# Altium PCB PCB.PcbDoc (part 1 of 3)
Units mm, origin at the board's own origin, x right, y up, seen from the top; angles counter-clockwise.
Board outline 157.4 x 131.87 mm, 4 copper layers (Top Layer, Power, GND, Bottom Layer), stack 0.603 mm thick; 193 components, 161 nets, 761 pads, 797 vias.
Unrouted connection lines stored in the file: 9.
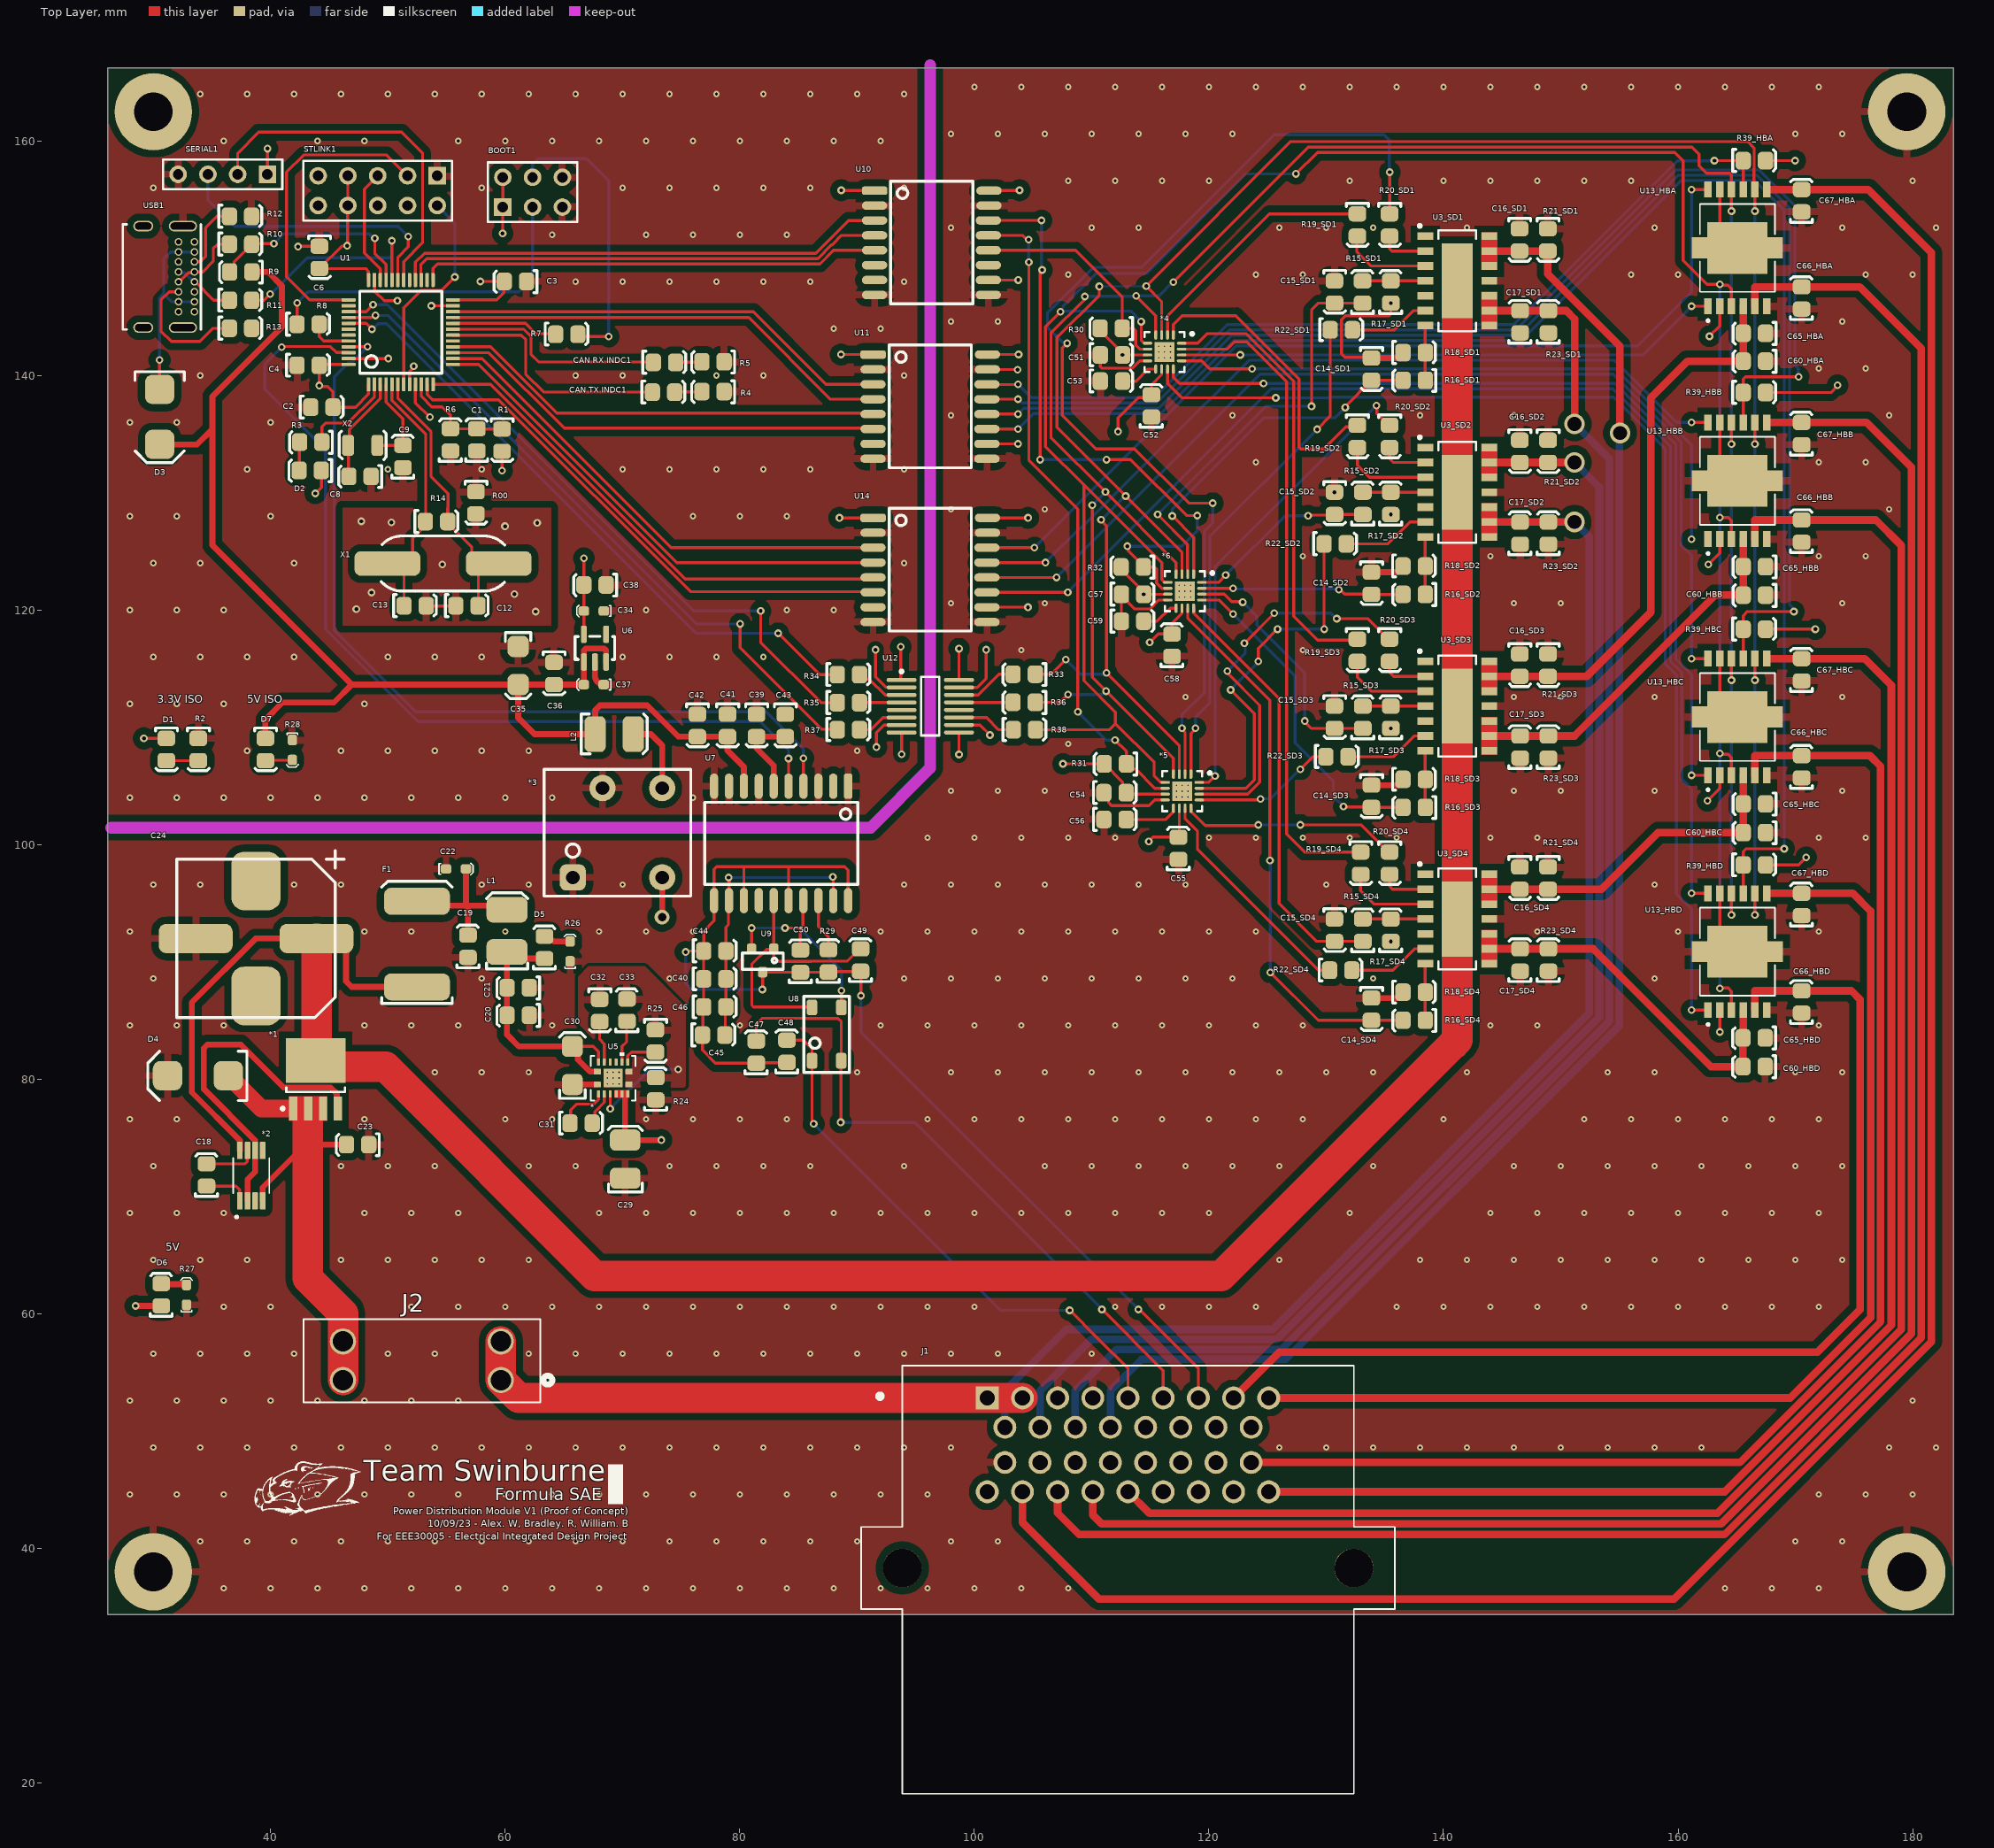
[diagram p0: Top Layer view]
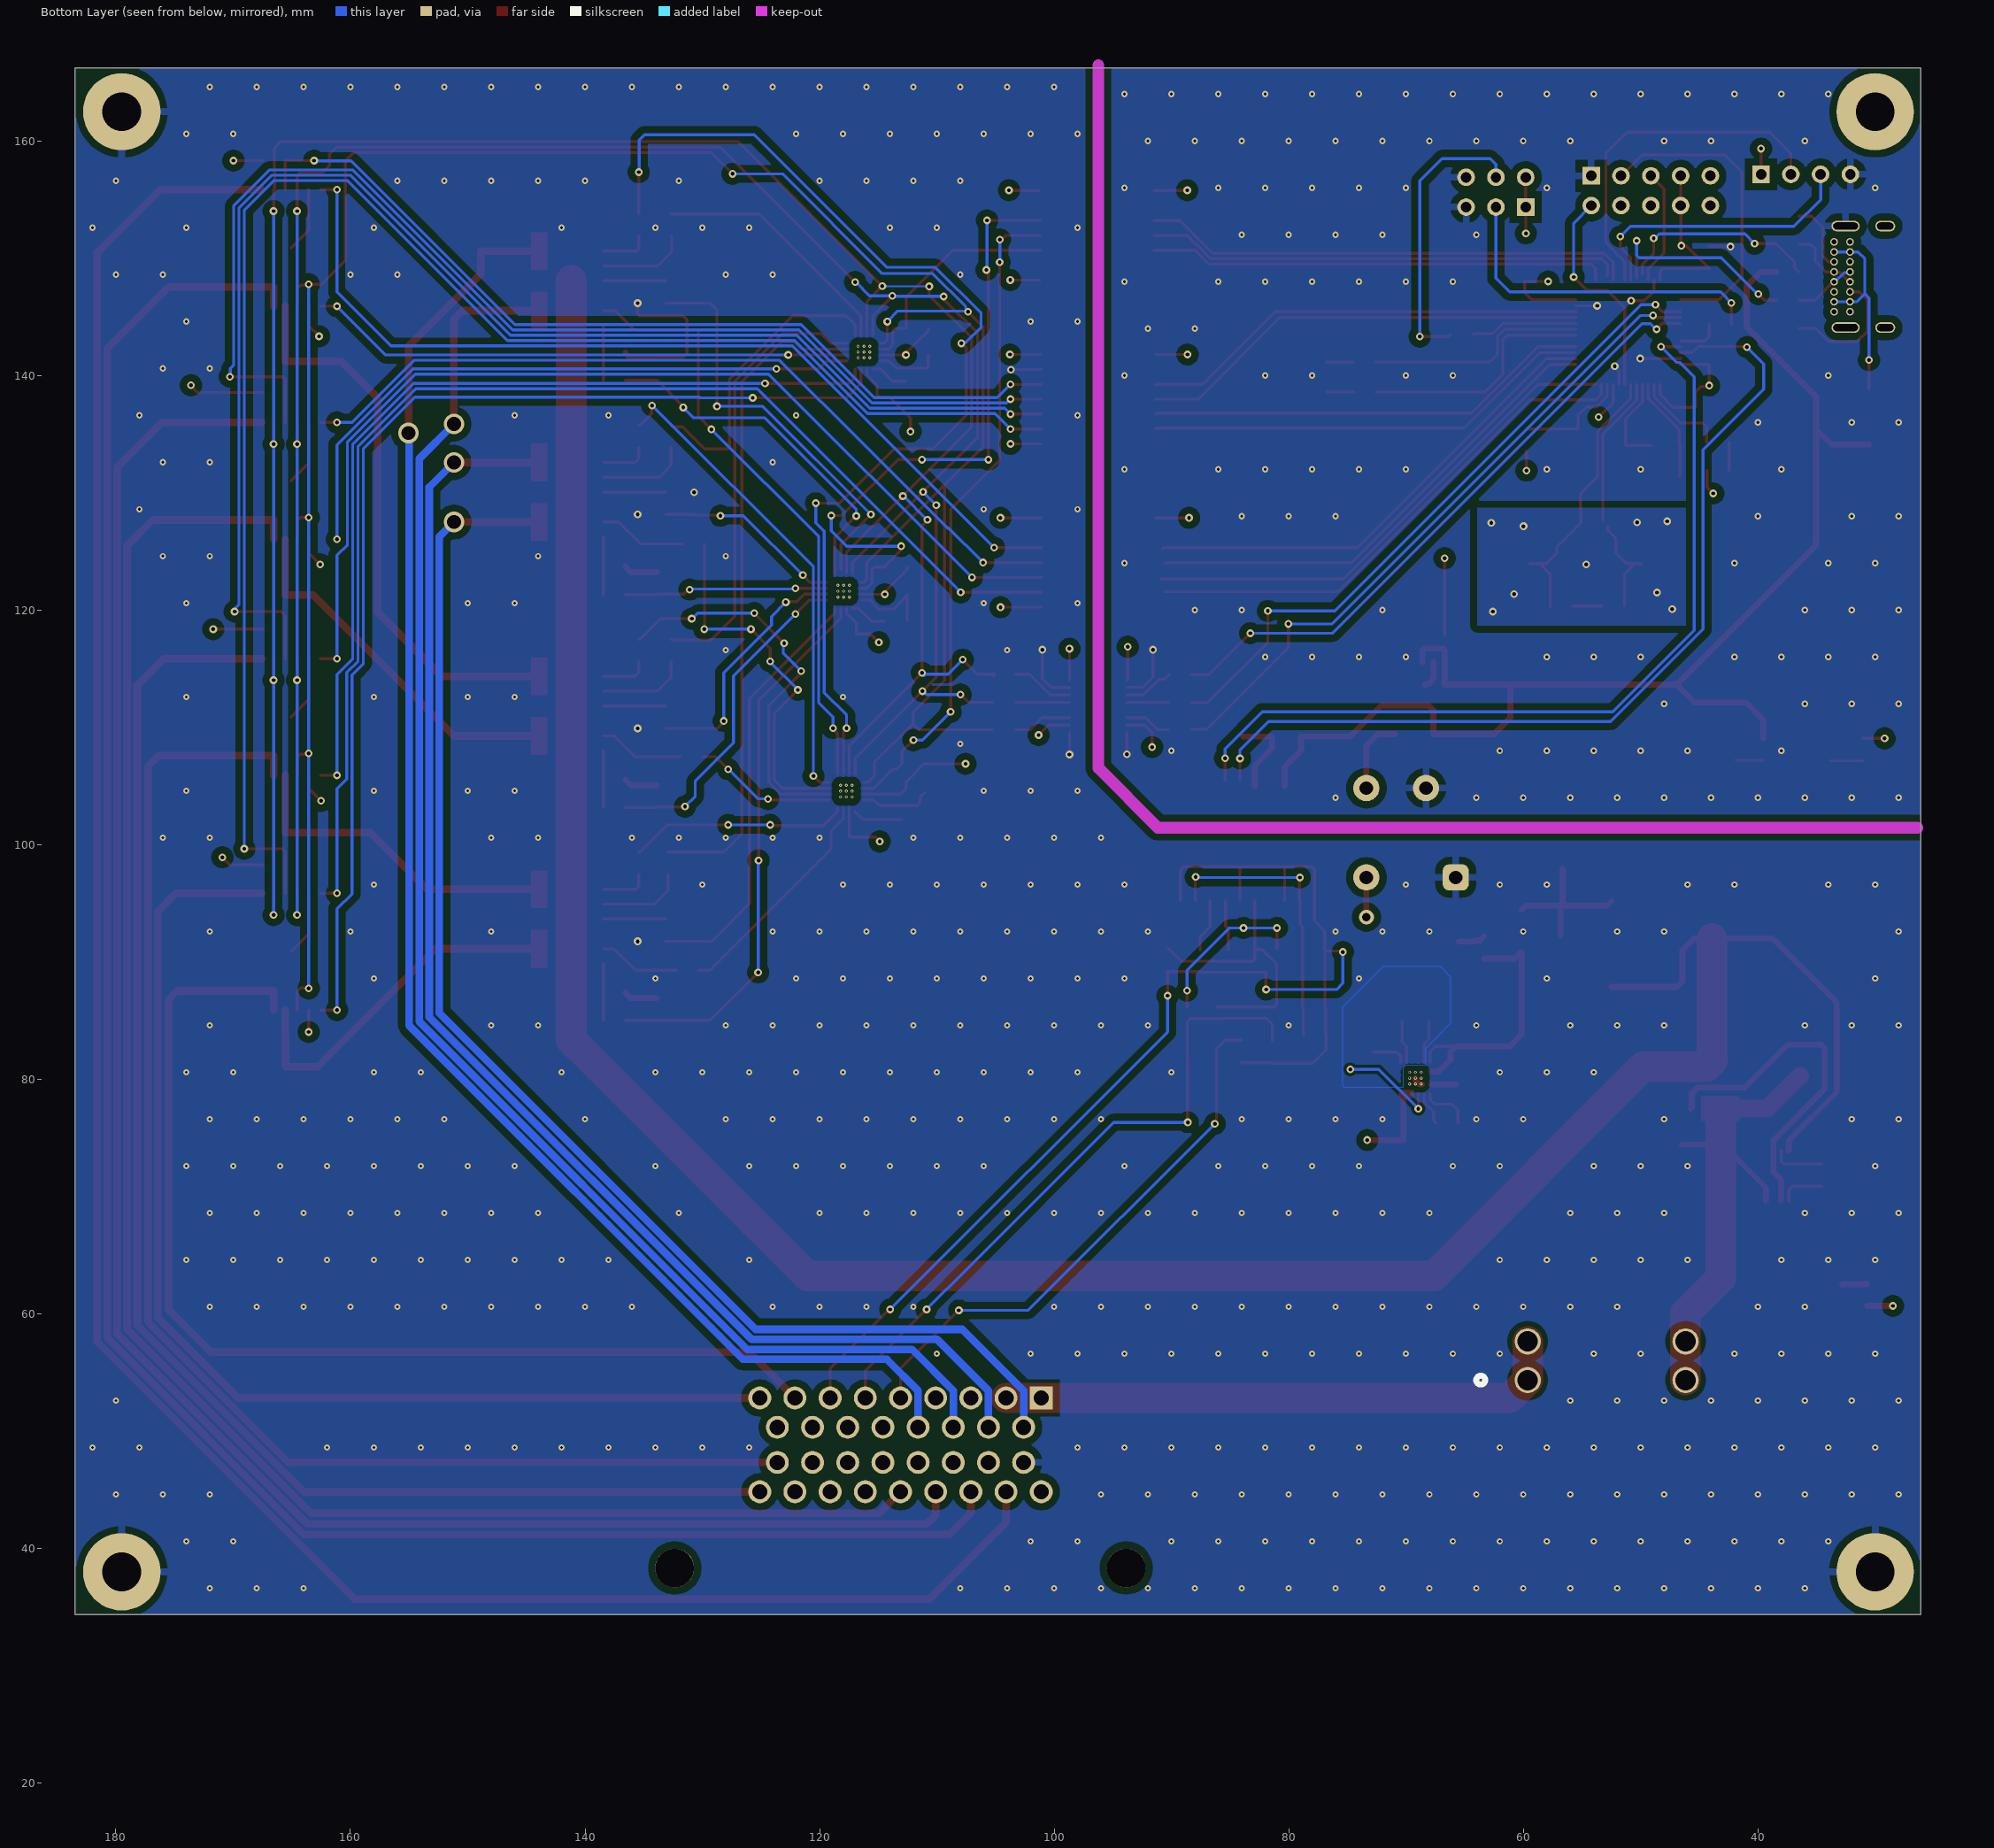
[diagram p1: Bottom Layer view, seen from below]
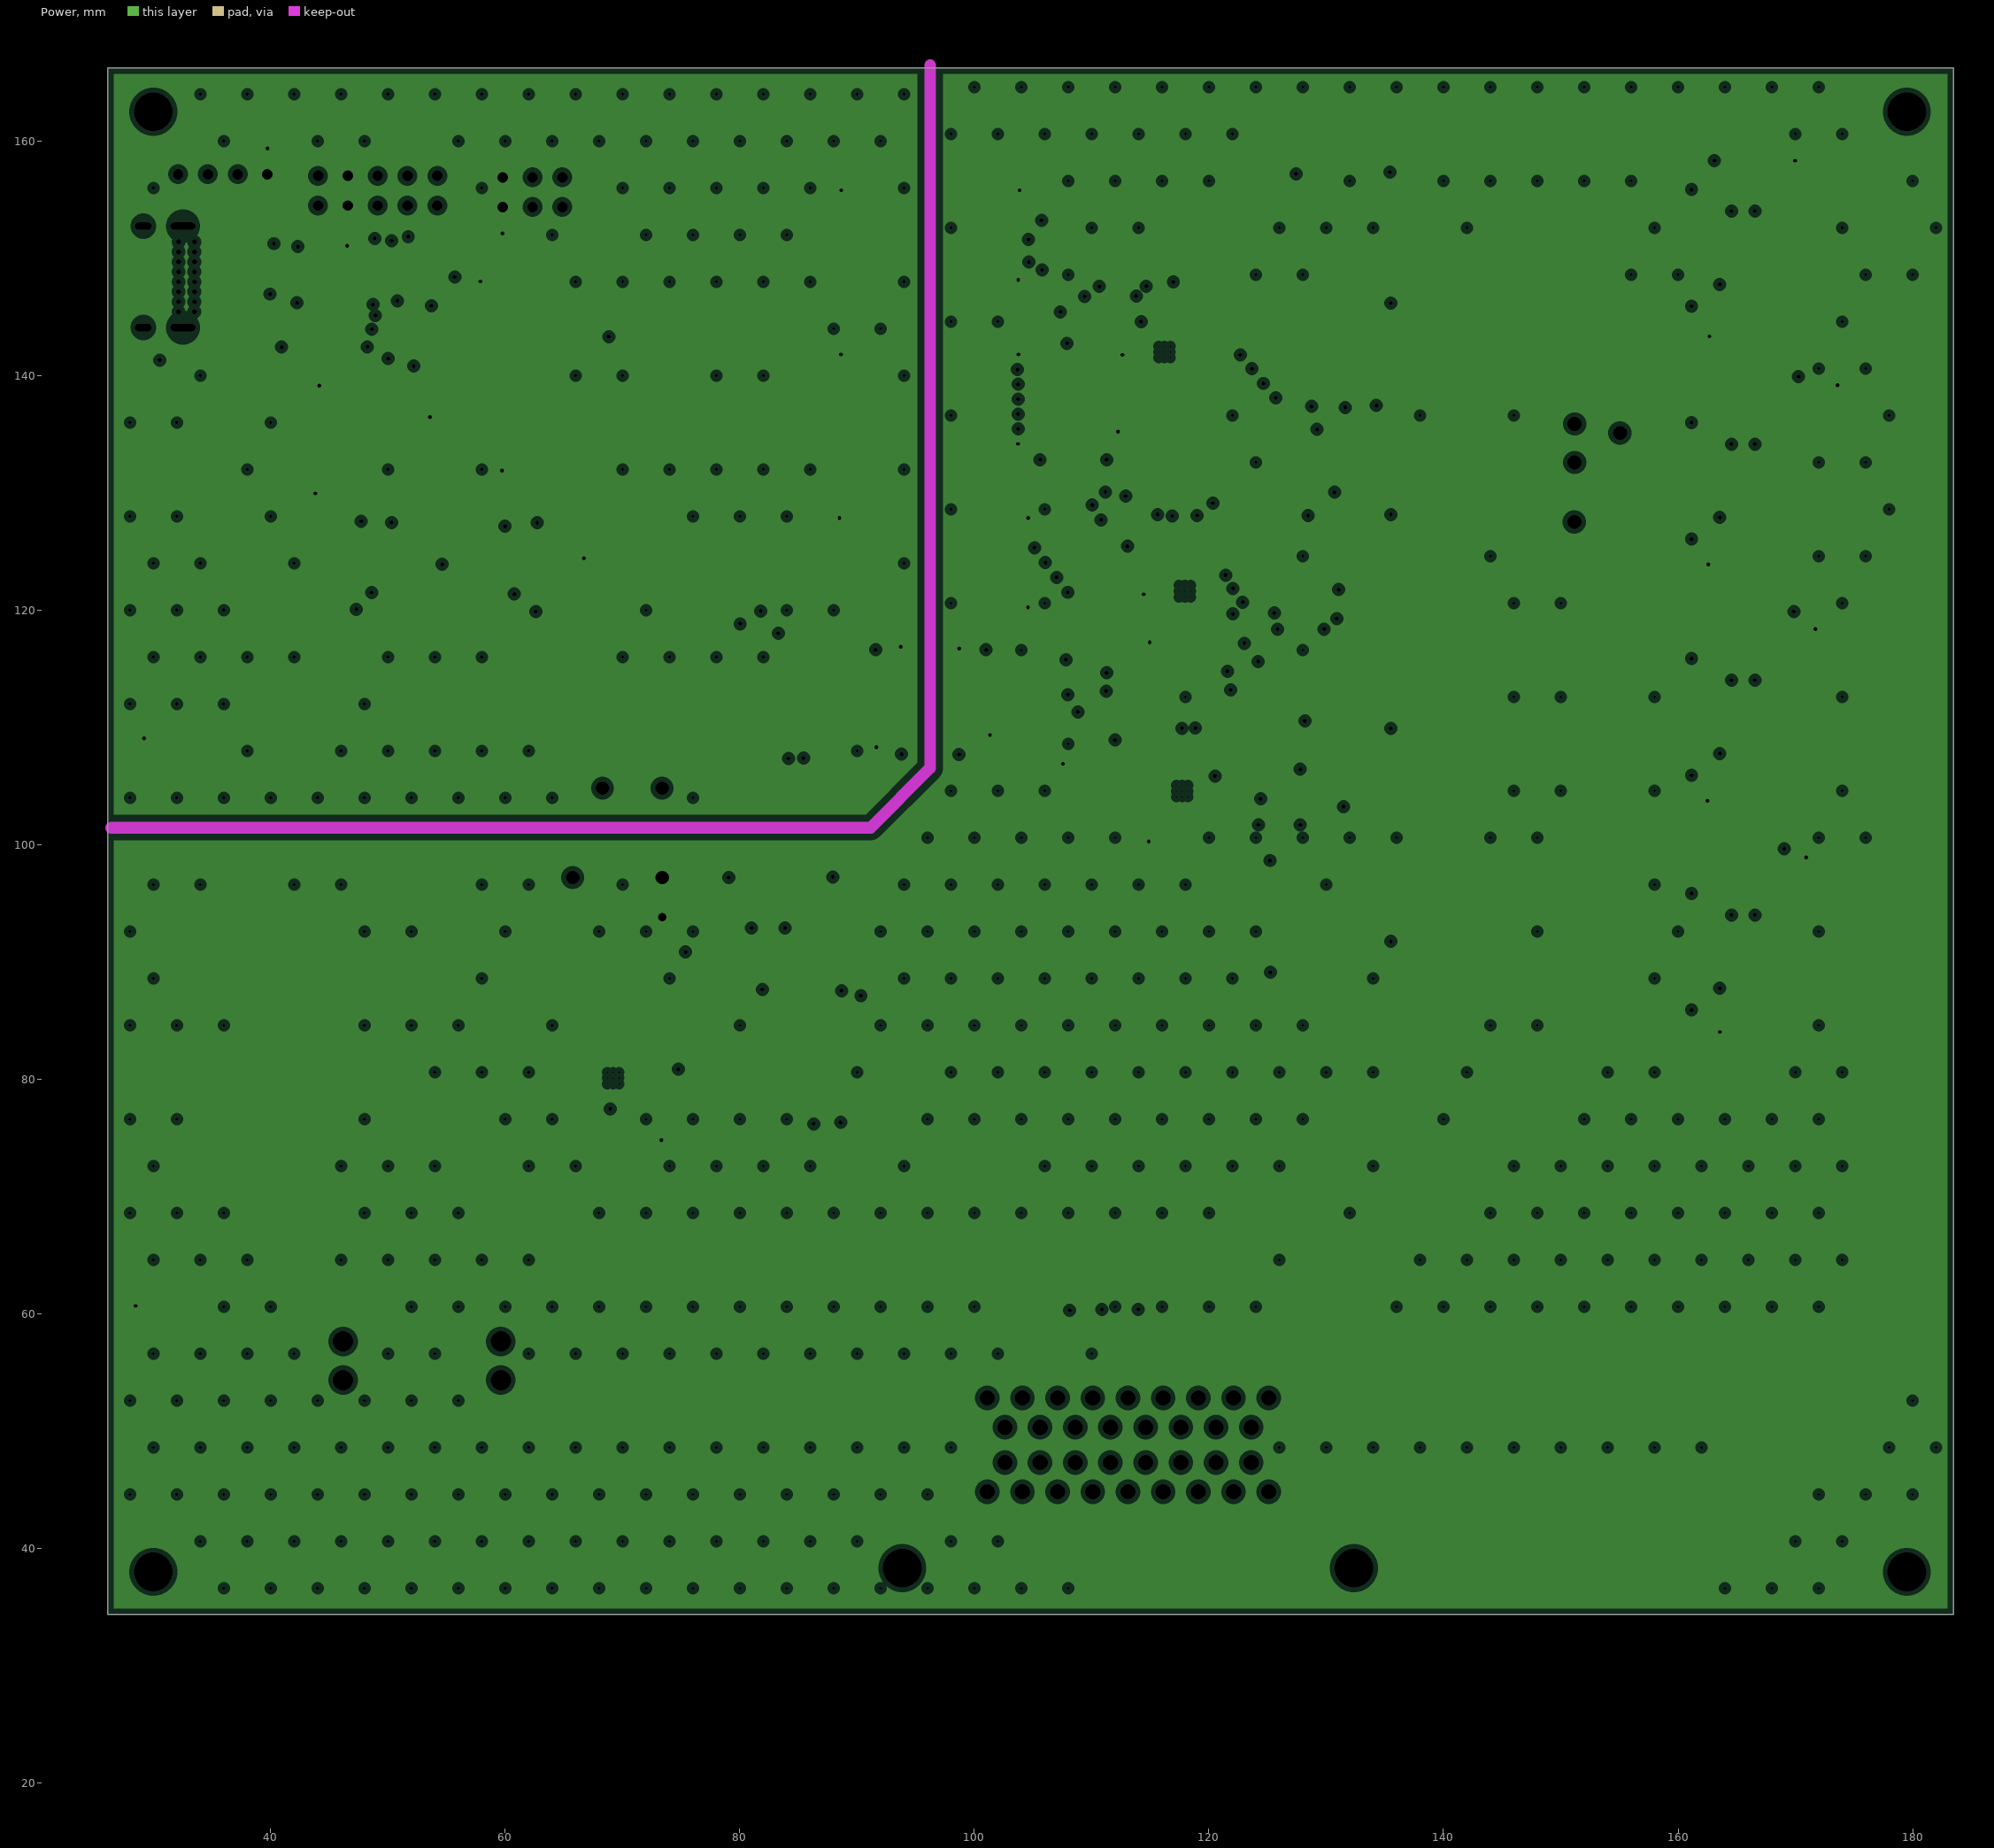
[diagram p2: Power, clearances drawn from the general rule]